# Altium PCB control128v4.PcbDoc (continued)
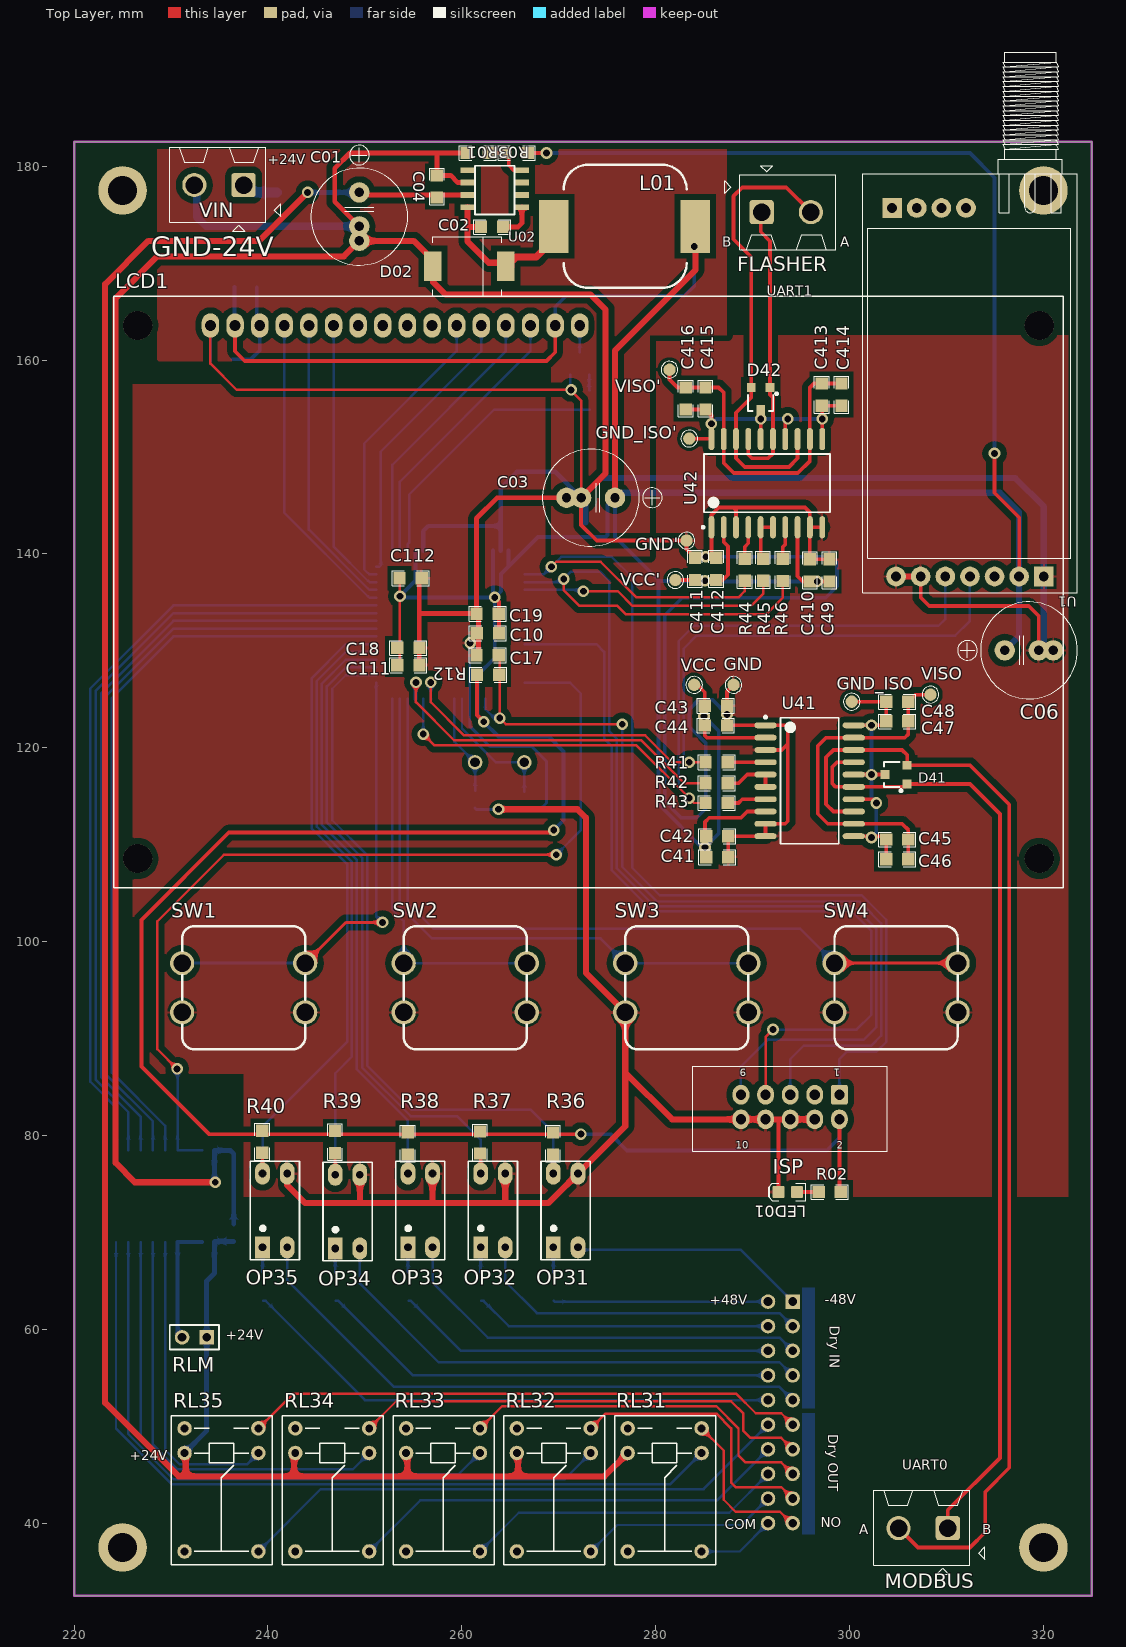
[diagram p0: Top Layer view]
## Part data
C01 C03 C06: library part Cap, cm="T? nhôm c?m"
C02 C04 C05 C10 C15 C16 C17 C18 C19 C31 C41 C42 C43 C44 C45 C46 C47 C48 C49 C111 C112 C410 C411 C412 C413 C414 C415 C416: library part "CAP NP", "Capacitor non polarized", cm1="T? di?n dán 0603", cm2="T? di?n dán 0805", cm3="T? di?n dán 1206"
D01: library part Diode, cm1="Ði ?t c?m", cm2="Ði ?t dán", vl2=FR307, vl3="TVS 1.5KE300A 19A 300V", vl4="HER508 5A 1000V", vl5="chân DO-214AB"
D02: library part "Diode Schottky"
D41 D42: "The SM712 transient voltage suppressor (TVS) diode  is designed for asymmetrical (12V to -7V) protection  in multi-point data transmission standard RS-485  applications."
DIO: "Header, 10-Pin, Dual row", LatestRevisionDate=17-Jul-2002, LatestRevisionNote="Re-released for DXP Platform.", Publisher="Altium Limited"
FLASHER MODBUS VIN: library part 2P_ScrewTerm_90S_3.81MM, "Terminal Block Screw Type THT 2-Position 3.81mm pitch", Color=Black, Manufacturer 1="Tyco Electronics", Manufacturer Part Number 1=1776113-2, Package / Case="Side Entry; 3.81mm pitch", Supplier Part Number 1=A97976-ND, Category="Connectors Interconnects", Pitch="0.150\" (3.81mm)", Positions Per Level=2, Supplier 1=Digi-Key, vl="Gi?c xanh 5.08mm"
GND GND' GND_ISO GND_ISO' VCC VCC' VISO VISO': "SMD test pin"
ISP: library part CONN_HEADER_2x5P_0.100in_Male, "Header THD 10 POS Double-row 2.54mm pitch", Manufacturer 1=3M, Manufacturer Part Number 1=D2510-6002-AR, Package / Case="Connector header; 2.54mm pitch", Supplier Part Number 1=MHC10E-ND, ComponentLink1Description=http://multimedia.3m.com/mws/mediawebserver?66666UuZjcFSLXTtm8T_oxMcEVuQEcuZgVs6EVs6E666666--, ComponentLink1URL=http://multimedia.3m.com/mws/mediawebserver?66666UuZjcFSLXTtm8T_oxMcEVuQEcuZgVs6EVs6E666666--, Connector Type="Header, Shrouded", Contact Mating Length="0.243\" (6.17mm)", Contact Type="Male Pin", Number of Positions=10, Number of Rows=2, Pitch="0.100\" (2.54mm)", QtyOverride=1, Row Spacing="0.100\" (2.54mm)", Supplier 1=Digi-Key
L01: library part Inductor, cm1="Cu?n c?m dán", cm2="Cu?n c?m c?m"
LCD1: library part "LCD 16x2", "Text LCD", cm1="Màn hình LCD text", vl1=16x2, vl2=20x4
LED01: library part LED_SMD_Blue_0805_100mcd, "LED 0805 SMD Blue 100mcd 470nm", Manufacturer 1=Ligitek, Manufacturer Part Number 1=LG-170DBKZ-CT, Package / Case=0805, Ratings="100 mcd; 470 nm", Color=Blue, Material=InGaN/GaN
OP31 OP32 OP33 OP34 OP35: "Single Opto"
Q11: library part NPN, "Transistor C828 C1815...."
R01 R02 R03 R12 R13 R14 R15 R31 R32 R33 R34 R35 R36 R37 R38 R39 R40 R41 R42 R43 R44 R45 R46: library part Res, "Resistor", cm1="Ði?n tr? dán 0603", cm2="Ði?n tr? c?m 1/4W", cm3="Ði?n tr? dán 0805", cm4="Ði?n tr? dán 1206"
RL31 RL32 RL33 RL34 RL35: library part HK4100F
RLM: "Header, 2-Pin", LatestRevisionDate=17-Jul-2002, LatestRevisionNote="Re-released for DXP Platform.", Publisher="Altium Limited"
SW1 SW2 SW3 SW4: library part SW-4P-Small, cm1="Nút b?m 4 chân c?m", vl1=12x12x17mm
U1: library part AS32-TTL-1W, "AS32-TTL-1W", Type1="Module thu phát không dây RF"
U11: library part ATmega128-16AC, "8-Bit AVR Microcontroller with 128K Bytes of In-System Programmable Flash Memory", Code_JEDEC=MS-026-AEB, ComponentLink1Description="Manufacturer Link", ComponentLink1URL=http://www.atmel.com, ComponentLink2Description=Datasheet, ComponentLink2URL=http://www.atmel.com/dyn/resources/prod_documents/doc2467.pdf, DatasheetVersion=2467G-AVR-09/02, LatestRevisionDate=13-Apr-2006, LatestRevisionNote="IPC-7351 Footprint Added.", PackageDescription="64-Pin Thin Quad Flat Pack 0.8 mm Pitch", PackageReference=64A, PackageVersion="revB, Oct-2001", Published=17-Sep-2003, Publisher="Altium Limited"
U31: "High-Voltage, High-Current Darlington Array", =TD62083AFG, LatestRevisionNote="Stylized 3D Model Added.", Publisher="Altium Limited"
XT: library part Crystal

## Free pads (board coordinates)
  round 5 hole 3: H(225,37.5) H(225,177.5) H(320,37.5) H(320,177.5)

## Via types
v1: diameter 1.2, hole 0.7, Top Layer to Bottom Layer, tented both sides, 23 vias
v2: diameter 1.2, hole 0.7, Top Layer to Bottom Layer, 18 vias

## Nets (pads, with @x,y where several pads share a name; then routed paths per layer and width w, separated by ;. In a path a pad name is that pad's centre, name@x,y a point inside that pad or via, vN(x,y) a via of type N, cw(c..) or ccw(c..) an arc to the next point about the centre after c; other vN are vias at no path point)
48V_M_1: DIO.1 OP31.2 | length 24.5
  Bottom Layer w0.254: OP31.2 272.237,68.204 288.793,68.204 DIO.1
48V_M_2: DIO.2 OP32.2 | length 35.1
  Bottom Layer w0.254: OP32.2 264.483,64.955 267.755,61.683 292.774,61.683 DIO.2
48V_M_3: DIO.3 OP33.2 | length 43.7
  Bottom Layer w0.254: OP33.2 256.983,64.835 262.675,59.143 292.774,59.143 DIO.3
48V_M_4: DIO.4 OP34.2 | length 52.2
  Bottom Layer w0.254: OP34.2 249.483,64.715 257.595,56.603 292.774,56.603 DIO.4
48V_M_5: DIO.5 OP35.2 | length 60.6
  Bottom Layer w0.254: OP35.2 241.983,65.103 253.023,54.063 292.774,54.063 DIO.5
48V_P_1: DIO.11 R31.1 | length 22.1
  Bottom Layer w0.254: R31.1 269.568,62.865 DIO.11
48V_P_2: DIO.12 R32.1 | length 30.7
  Bottom Layer w0.254: R32.1 262.251,62.939 264.865,60.325 DIO.12
48V_P_3: DIO.13 R33.1 | length 39.2
  Bottom Layer w0.254: R33.1 254.758,62.939 259.912,57.785 DIO.13
48V_P_4: DIO.14 R34.1 | length 47.8
  Bottom Layer w0.254: R34.1 247.265,62.939 254.959,55.245 DIO.14
48V_P_5: DIO.15 R35.1 | length 56.3
  Bottom Layer w0.254: R35.1 239.772,62.939 250.006,52.705 DIO.15
+5V: C03.1 C05.2 C06.1 C10.2 C18.2 C19.2 C41.2 C42.2 C43.2 C44.2 C49.2 C111.2 C112.2 C410.2 C411.2 C412.2 ISP.2 L01.2 LCD1.2 LCD1.15 R01.1@266.8,181.356 R02.2 R12.2 R15.2 R36.2 R37.2 R38.2 R39.2 R40.2 U1.2 U11.21 U11.52 U11.62 U11.64 U41.2 U41.8 U42.2 U42.8 VCC'.1 VCC.1 | length 590.7
  Top Layer w0.254: C111.2@253.608,128.524 253.608,137.262 C112.2@253.837,137.49
  Top Layer w0.381: LCD1.2 236.608,160.902 237.61,159.9 268.732,159.9 269.628,160.796 LCD1.15 ; R12.2 261.568,123.369 v2(262.255,122.682) ; v2(263.398,135.509) 263.83,135.077 C10.2 ; R01.1@266.534,181.356 266.8,181.356 v1(268.732,181.356) ; v2(269.494,111.506) 269.24,111.252 235.966,111.252 226.949,102.235 226.949,87.122 233.927,80.144 261.881,80.144 v1(272.288,80.144) ; VCC'.1 v1@285.09,137.306 ; VCC.1 284.306,126.492 285.068,125.73 C43.2 ; C44.2 285.068,121.269 285.294,121.043 U41.2 ; v1(285.09,109.728) 285.09,112.349 285.517,112.776 288.798,112.776 289.445,113.423 U41.8 ; C412.2 286.915,137.309 287.46,137.854 287.46,140.784 287.02,141.224 U42.2 ; U42.8 294.64,137.682 295.162,137.16 C410.2 v1(296.672,137.16) 297.926,137.16 C49.2 ; R02.2@298.688,74.168 298.958,74.438 ISP.2 ; v1(314.96,150.368) 314.96,146.304 317.5,143.764 U1.2
  Top Layer w0.635: C03.1 275.804,160.996 284.094,169.286 L01.2@284.094,171.704
  Bottom Layer w0.254: LCD1.2@236.608,163.576 LCD1.2@236.871,163.839
  Bottom Layer w0.381: v1(268.732,181.356) 312.42,181.356 314.96,178.816 v1(314.96,150.368) ; LCD1.15 269.628,165.488 270.764,166.624 282.956,166.624 283.972,167.64 v1(283.972,171.704) ; v1(272.288,80.144) 275.336,80.144 277.022,78.458 297.66,78.458 298.958,79.756 ISP.2 ; v1(284.988,123.241) 286.512,121.717 286.512,111.15 v1(285.09,109.728)
  Bottom Layer w0.406: R15.2 236.571,163.604 LCD1.2 ; U11.52 255.22,137.237 v2(253.619,135.636) 253.746,135.509 v2(263.398,135.509) ; U11.62 263.22,135.687 v2(263.398,135.509) ; U11.64 264.82,138.709 ; v2(269.494,111.506) 270.51,112.522 270.51,119.634 268.986,121.158 263.779,121.158 v2(262.255,122.682) 261.62,123.317 U11.21 261.62,127.485 263.398,129.263 v2(263.398,135.509) ; C03.1@276.312,146.304 C03.1 ; v1(285.09,109.728) 284.752,109.728 280.276,114.203 280.276,137.159 280.344,137.227 ; v1(296.672,137.16) 285.156,137.16 v1(285.09,137.227) 280.344,137.227 ; v2(263.398,135.509) 264.033,136.144 264.033,137.922 264.82,138.709 ; 264.82,138.709 267.843,141.732 274.844,141.732 275.048,141.936 C05.2 275.048,145.04 C03.1 ; C03.1 275.804,141.767 280.344,137.227
  Bottom Layer w0.635: C03.1@276.312,146.304 315.508,146.304 317.5,144.312 U1.2 317.5,131.532 C06.1
+24V: C01.1 C04.2 C31.2 D01.K RL31.3 RL32.3 RL33.3 RL34.3 RL35.3 RLM.1 U02.7 U31.10 | length 249.8
  Top Layer w0.508: C01.1 249.682,177.038 U02.7
  Top Layer w0.635: RL35.3 231.521,47.117 231.521,44.831 ; RL34.3 242.697,47.117 242.697,44.831 ; v2(244.094,177.292) 239.094,172.292 227.664,172.292 223.202,167.831 223.202,52.431 230.803,44.831 231.521,44.831 ; RL33.3 254.381,47.117 254.381,44.831 ; RL32.3 265.811,47.117 265.811,44.831 ; RL31.3 274.701,44.831 265.811,44.831 ; 231.521,44.831 242.697,44.831 ; 242.697,44.831 254.381,44.831 ; 254.381,44.831 265.811,44.831
  Bottom Layer w0.508: RL35.3 233.68,49.53 RLM.1 233.68,64.983 234.483,65.786 U31.10 234.483,69.018 234.541,69.077 C31.2@236.474,69.077 ; v2(244.094,177.292) D01.K C01.1
A: D41.3 MODBUS.2 U41.13 U41.18 | length 116.7
  Top Layer w0.381: U41.13 298.335,113.423 297.573,114.185 297.573,119.011 298.335,119.773 U41.18 305.423,119.773 305.943,119.253 D41.3 312.42,118.198 316.484,114.134 316.484,45.72 313.995,43.231 313.995,39.065 312.43,37.5 307.051,37.5 MODBUS.2
A': D42.3 FLASHER.2 U42.13 U42.18 | length 46.9
  Top Layer w0.381: U42.13 294.64,149.86 293.751,148.971 289.179,148.971 288.29,149.86 U42.18 288.29,154.559 289.865,156.134 D42.3 289.865,170.637 288.036,172.466 288.036,176.911 288.925,177.8 293.476,177.8 FLASHER.2
ADJ: LCD1.3 R14.2 R15.1@238.857,167.513 | length 10.2
  Bottom Layer w0.381: R14.2 238.252,160.096 239.148,160.992 LCD1.3 238.857,163.858 R15.1@238.857,167.513 ; LCD1.3@238.871,163.853 LCD1.3@239.148,163.576
Aptomat: U11.16 U31.6 U31.7 U31.8 | length 95
  Top Layer w0.254: v2(230.632,86.868) 228.6,88.9 228.6,102.108 235.458,108.966 v2(269.748,108.966)
  Bottom Layer w0.254: v2(230.632,86.868) 230.673,86.827 U31.6 U31.7 U31.8 ; U11.16 271.183,126.685 272.272,125.596 272.272,125.153 272.288,125.137 272.288,111.506 v2(269.748,108.966)
AUX: U1.3
B: D41.1 MODBUS.1 U41.15 U41.17 | length 98.9
  Top Layer w0.381: U41.17 298.704,118.503 298.208,118.007 298.208,116.32 298.565,115.963 U41.15 305.638,115.963 D41.1 312.42,116.268 315.519,113.169 315.519,46.736 310.134,41.351 MODBUS.1
B': D42.1 FLASHER.1 U42.15 U42.17 | length 30
  Top Layer w0.381: U42.17 289.56,150.229 289.929,149.86 291.592,149.86 292.1,150.368 U42.15 292.1,156.141 291.795,156.446 D42.1 291.795,172.263 290.83,173.228 290.83,175.154 FLASHER.1
BOOT: C02.1@264.262,173.736 U02.1@266.192,175.768 | length 4
  Top Layer w0.508: C02.1@264.044,173.736 265.811,173.736 266.192,174.117 U02.1@266.192,175.768
COM1: DIO.20 RL31.2 | length 8.1
  Bottom Layer w0.254: RL31.2 288.671,37.084 DIO.20
COM2: DIO.19 RL32.2 | length 20.6
  Bottom Layer w0.254: RL32.2 276.035,39.815 288.862,39.815 DIO.19
COM3: DIO.18 RL33.2 | length 33
  Bottom Layer w0.254: RL33.2 265.875,41.085 287.592,41.085 DIO.18
COM4: DIO.17 RL34.2 | length 45.5
  Bottom Layer w0.254: RL34.2 255.715,42.355 286.322,42.355 DIO.17
COM5: DIO.16 RL35.2 | length 58
  Bottom Layer w0.254: RL35.2 245.452,43.522 284.949,43.522 DIO.16
CRL1: U11.43 U31.1 | length 81.8
  Bottom Layer w0.254: U31.1 224.323,82.904 221.666,85.561 221.666,126.1 230.251,134.685 U11.43
CRL2: U11.42 U31.2 | length 81.1
  Bottom Layer w0.254: U31.2 225.593,82.425 222.225,85.793 222.225,125.859 230.251,133.885 U11.42
CRL3: U11.41 U31.3 | length 80.3
  Bottom Layer w0.254: U31.3 226.863,80.84 226.867,80.844 226.867,81.94 222.783,86.024 222.783,125.617 230.251,133.085 U11.41
CRL4: U11.40 U31.4 | length 79.6
  Bottom Layer w0.254: U31.4 228.133,81.465 223.342,86.256 223.342,125.376 230.251,132.285 U11.40
CRL5: U11.39 U31.5 | length 78.9
  Bottom Layer w0.254: U31.5 229.403,80.985 223.901,86.487 223.901,125.135 230.251,131.485 U11.39
D4: LCD1.11 U11.47 | length 30.6
  Bottom Layer w0.254: U11.47 250.49,137.885 250.346,138.029 250.298,138.029 249.914,138.413 249.914,151.362 259.468,160.916 LCD1.11@259.468,163.576
D5: LCD1.12 U11.48 | length 29.6
  Bottom Layer w0.254: U11.48 251.506,138.685 251.643,138.822 251.643,150.551 262.008,160.916 LCD1.12@262.008,163.576
D6: LCD1.13 U11.49 | length 28.1
  Bottom Layer w0.254: U11.49 252.82,149.188 264.548,160.916 LCD1.13@264.548,163.576
D7: LCD1.14 U11.50 | length 28.8
  Bottom Layer w0.254: U11.50 253.62,147.448 267.088,160.916 LCD1.14@267.088,163.576
DIO2: U11.6
DRYIN1: OP31.4 R36.1@269.405,78.028 U11.34 | length 74
  Top Layer w0.305: R36.1@269.405,78.294 269.443,78.256 OP31.4
  Bottom Layer w0.254: U11.34 248.031,127.485 246.634,126.088 246.634,112.522 250.266,108.89 250.266,87.171 254.76,82.677 267.081,82.677 269.443,80.315 OP31.4
DRYIN2: OP32.4 R37.1@261.881,78.135 U11.35 | length 67.8
  Top Layer w0.305: R37.1@261.912,78.294 261.943,78.263 OP32.4
  Bottom Layer w0.254: U11.35 248.031,128.285 246.075,126.329 246.075,112.291 249.707,108.658 249.707,87.011 254.727,81.991 259.512,81.991 261.943,79.56 OP32.4
DRYIN3: OP33.4 R38.1@254.419,78.034 U11.36 | length 63.1
  Top Layer w0.254: R38.1@254.419,78.294 254.443,78.27 OP33.4
  Bottom Layer w0.254: U11.36 248.031,129.085 245.542,126.596 245.542,112.07 249.174,108.437 249.174,86.826 254.443,81.557 OP33.4
DRYIN4: OP34.4 R39.1@246.913,78.183 U11.37 | length 62.9
  Top Layer w0.254: R39.1@246.926,78.294 246.943,78.277 OP34.4
  Bottom Layer w0.254: OP34.4 246.943,86.415 248.666,88.138 248.666,108.227 245.034,111.859 245.034,126.888 248.031,129.885 U11.37
DRYIN5: OP35.4 R40.1@239.42,78.211 U11.38 | length 66.5
  Top Layer w0.254: R40.1@239.433,78.294 239.443,78.284 OP35.4
  Bottom Layer w0.254: OP35.4 239.443,80.947 248.158,89.662 248.158,108.017 244.526,111.649 244.526,127.18 248.031,130.685 U11.38
EN: LCD1.6 U11.46 | length 28.7
  Bottom Layer w0.254: LCD1.6@246.768,163.576 246.768,140.759 250.298,137.229 250.346,137.229 250.49,137.085 U11.46
GND: C01.2 C03.2 C04.1@257.429,179.045 C05.1@272.762,143.256 C06.2 C10.1@261.544,131.826 C15.2 C16.2 C17.1@261.518,129.54 C18.1@255.626,130.302 C19.1@261.518,133.833 C31.1@236.474,71.095 C41.1@287.503,108.712 C42.1@287.503,110.883 C43.1@287.354,124.333 C44.1@287.354,122.301 C49.1@297.929,139.443 C111.1@255.626,128.524 C112.1@255.854,137.49 C410.1@295.91,139.446 C411.1@284.064,139.595 C412.1@286.236,139.595 D02.A GND'.1 GND.1 ISP.4 ISP.6 ISP.8 ISP.10 LCD1.1 LED01.K OP31.3 OP32.3 OP33.3 OP34.3 OP35.3 Q11.3 R03.1@260.504,181.356 R14.1@234.04,160.096 SW1.2 SW2.2 SW3.2 SW4.2 U1.1 U1.6 U1.7 U02.6 U11.22 U11.53 U11.63 U31.9 U41.1 U41.3 U41.9 U41.10 U42.1 U42.3 U42.9 U42.10 VIN.2 | length 757.9
  Top Layer w0.254: LCD1.1 234.068,159.632 236.781,156.919 271.198,156.919 272.304,155.812 C03.2@272.304,145.796 ; v2(260.858,130.81) 261.736,130.81
  Top Layer w0.381: C03.2@272.304,145.796 272.304,142.986 273.917,141.373 GND'.1 283.188,140.472 284.064,139.595 286.236,139.595 285.75,140.081 U42.1 285.75,144.018 286.512,144.78 288.036,144.78 ; C41.1@287.503,108.712 287.503,110.883 U41.10 U41.9 293.358,112.153 293.624,112.419 293.624,120.396 ; GND.1 287.354,125.81 287.354,124.333 v1(287.354,123.444) 287.354,122.301 287.366,122.313 U41.1 293.358,122.313 293.624,122.047 293.624,120.396 ; U42.3 288.29,144.526 288.036,144.78 ; U41.3 293.001,119.773 293.624,120.396 ; 292.608,81.661 292.671,81.597 LED01.K ; U42.10 U42.9 ; C49.1@297.929,139.443 295.913,139.443 295.91,139.446 U42.9 ; U1.6 307.34,135.509 308.216,134.633 318.487,134.633 319.516,133.604 C06.2@319.516,130.048 ; 288.036,144.78 295.402,144.78 295.91,144.272 U42.9
  Top Layer w0.457: C111.1@255.626,128.524 255.626,130.302 255.626,133.782 255.626,137.262 C112.1@255.854,137.49
  Top Layer w0.508: C01.2@249.428,173.792 246.888,176.332 246.888,179.777 248.467,181.356 257.429,181.356 ; 255.626,133.782 255.676,133.833 C19.1@261.518,133.833 ; U02.6 259.588,178.308 258.851,179.045 257.429,179.045 257.429,181.356 ; R03.1@260.77,181.356 257.429,181.356 ; C17.1@261.736,129.54 261.736,130.81 261.736,133.833 C19.1@261.518,133.833 ; C03.2@270.804,145.796 263.652,145.796 261.518,143.662 C19.1@261.518,133.833
  Top Layer w0.635: v2@234.442,75.311 v2@234.569,75.311 ; v2(234.569,75.184) 226.266,75.184 224.282,77.168 224.282,166.37 228.6,170.688 247.824,170.688 249.428,172.292 255.025,172.292 257.048,170.269 D02.A@257.048,169.645 ; OP35.3 241.983,74.882 243.84,73.025 249.555,73.025 ; OP34.3 249.483,73.097 249.555,73.025 ; OP33.3 256.983,73.087 256.921,73.025 ; D02.A D02.A@257.048,169.645 ; v2(263.779,113.654) 271.918,113.654 272.796,112.776 272.796,96.774 276.86,92.71 276.86,86.487 ; OP32.3 264.483,73.083 264.541,73.025 ; C03.2@272.304,145.796 274.828,148.32 274.828,165.205 273.282,166.751 258.318,166.751 257.048,168.021 D02.A@257.048,169.645 ; ISP.4 ISP.6 292.608,81.661 ISP.8 ISP.10 281.686,81.661 276.86,86.487 ; U1.7 U1.6 ; 249.555,73.025 256.921,73.025 ; 256.921,73.025 264.541,73.025 ; 264.541,73.025 268.93,73.025 OP31.3 276.86,80.955 276.86,86.487
  Bottom Layer w0.254: LCD1.1@234.068,163.576 234.077,163.567 R14.1@234.077,159.893 ; Q11.3 271.196,156.995 v1(271.272,156.919)
  Bottom Layer w0.305: v2(260.858,130.81) 260.82,130.772 U11.22 260.82,122.212 262.89,120.142 267.208,120.142 268.732,118.618 268.732,114.3 268.086,113.654 v2(263.779,113.654) 261.493,113.654 C16.2@261.366,113.781
  Bottom Layer w0.381: v1@285.09,139.7 v1(285.156,139.7) 298.196,139.7 298.704,139.192 298.704,136.652 297.537,135.485 282.74,135.485 280.924,133.669 280.924,114.472 282.62,112.776 284.226,112.776 285.156,113.706 285.156,120.482 283.464,122.174 283.464,123.952 284.48,124.968 285.83,124.968 v1(287.354,123.444)
  Bottom Layer w0.457: U11.53 256.003,140.352 256.003,142.338 256.54,142.875 264.02,142.875 ; U11.63 264.02,142.875 ; C03.2@272.304,145.796 269.637,148.463 265.684,148.463 264.02,146.799 264.02,142.875
  Bottom Layer w0.508: v2(234.569,75.184) 234.483,75.27 U31.9 236.121,78.458 236.474,78.105 236.474,71.095 C31.1@236.474,70.877
  Bottom Layer w0.635: C05.1@272.762,143.256 272.762,145.338 272.304,145.796 274.336,147.828 317.119,147.828 320.04,144.907 U1.1 320.04,130.572 C06.2@319.516,130.048
  Bottom Layer w0.8: VIN.2@232.664,178.308 232.664,174.752 233.624,173.792 C01.2@249.428,173.792
GND_ISO: C45.1@303.784,110.528 C46.1@303.784,108.496 C47.1@303.784,122.72 C48.1@303.784,124.752 D41.2 GND_ISO.1 U41.11 U41.14 U41.16 U41.20 | length 32.3
  Top Layer w0.381: GND_ISO.1 303.784,124.752 303.784,122.72 303.377,122.313 v1(302.26,122.313) U41.20 ; U41.11 303.429,110.883 303.784,110.528 C46.1@303.784,108.496 ; U41.14 302.375,114.693 v1(302.768,114.3) ; U41.16 v1(302.26,117.233) D41.2
  Bottom Layer w0.381: v1(302.26,110.744) 302.768,111.252 v1(302.768,114.3) 302.26,114.808 v1(302.26,117.233) v1(302.26,122.313)
GND_ISO': C413.1@297.129,155.296 C414.1@299.161,155.296 C415.1@285.14,154.889 C416.1@283.108,154.889 D42.2 GND_ISO'.1 U42.11 U42.14 U42.16 U42.20 | length 27.5
  Top Layer w0.381: C416.1@283.108,154.889 285.14,154.889 285.75,154.28 v1(285.75,153.416) ; GND_ISO'.1 285.706,151.892 U42.20 ; U42.16 v1(290.83,153.924) ; U42.14 293.37,153.67 v1(293.624,153.924) ; U42.11 v1(297.18,153.924) 297.18,155.245 297.129,155.296 C414.1@299.161,155.296
  Bottom Layer w0.381: v1(285.75,153.416) 286.258,153.924 v1(290.83,153.924) v1(293.624,153.924) v1(297.18,153.924)
LCD_BL: R13.2 U11.51 | length 28.1
  Bottom Layer w0.254: U11.51 254.42,141.015 254.564,141.159 254.564,146.106 263.326,154.868 R13.2@273.177,154.868
NetLCD1_16: LCD1.16 Q11.2 | length 2.8
  Bottom Layer w0.254: Q11.2 272.168,160.789 LCD1.16@272.168,163.576
NetLED01_A: LED01.A R02.1@296.813,74.168 | length 2.1
  Top Layer w0.381: LED01.A R02.1@296.688,74.168
NetOP31_1: OP31.1 R31.2 | length 2.6
  Bottom Layer w0.305: OP31.1 269.443,65.89 R31.2
NetOP32_1: OP32.1 R32.2 | length 2.6
  Bottom Layer w0.305: OP32.1 261.943,65.897 R32.2
NetOP33_1: OP33.1 R33.2 | length 2.6
  Bottom Layer w0.305: OP33.1 254.443,65.904 R33.2
NetOP34_1: OP34.1 R34.2 | length 2.5
  Bottom Layer w0.305: OP34.1 246.943,65.911 R34.2
NetOP35_1: OP35.1 R35.2 | length 2.7
  Bottom Layer w0.305: OP35.1 239.443,65.918 R35.2
NetQ11_1: Q11.1 R13.1@273.177,156.718 | length 1.6
  Bottom Layer w0.254: Q11.1 273.126,156.919 R13.1@273.177,156.868
NO1: DIO.10 RL31.6 | length 16.4
  Top Layer w0.254: RL31.6 287.02,47.498 287.02,42.418 288.251,41.187 292.823,41.187 294.005,40.005 DIO.10
NO2: DIO.9 RL32.6 | length 28.4
  Top Layer w0.254: RL32.6 274.828,51.308 286.258,51.308 287.782,49.784 287.782,44.196 288.251,43.727 292.95,43.727 DIO.9
NO3: DIO.8 RL33.6 | length 37.7
  Top Layer w0.254: RL33.6 264.16,52.07 286.258,52.07 288.544,49.784 288.544,46.99 289.267,46.267 292.95,46.267 DIO.8
NO4: DIO.7 RL34.6 | length 47.9
  Top Layer w0.254: RL34.6 253.238,52.578 287.782,52.578 289.052,51.308 289.052,49.53 289.775,48.807 292.95,48.807 DIO.7
NO5: DIO.6 RL35.6 | length 57.9
  Top Layer w0.254: RL35.6 242.57,53.34 288.329,53.34 290.322,51.347 292.95,51.347 DIO.6
ORL1: RL31.4 U31.18 | length 83.4
  Bottom Layer w0.254: U31.18 224.323,49.77 230.063,44.03 281.52,44.03 RL31.4
ORL2: RL32.4 U31.17 | length 70.6
  Bottom Layer w0.254: U31.17 225.593,49.219 230.273,44.538 270.598,44.538 RL32.4
ORL3: RL33.4 U31.16 | length 57.8
  Bottom Layer w0.254: U31.16 226.863,48.667 230.484,45.046 259.676,45.046 RL33.4
ORL4: RL34.4 U31.15 | length 45
  Bottom Layer w0.254: U31.15 228.133,48.116 230.694,45.554 248.754,45.554 RL34.4
ORL5: RL35.4 U31.14 | length 32.2
  Bottom Layer w0.254: U31.14 229.403,47.564 230.904,46.062 237.832,46.062 RL35.4
PDI: ISP.1 R44.1@289.179,137.215 U11.2 | length 116
  Top Layer w0.254: v2(269.24,138.684) 269.748,139.192 274.32,139.192 278.003,135.509 288.544,135.509 289.179,136.144 R44.1@289.179,137.215
  Bottom Layer w0.254: U11.2 268.441,137.885 v2(269.24,138.684) 270.256,139.7 275.474,139.7 277.588,137.586 277.588,107.603 280.416,104.775 301.271,104.775 301.457,104.589 301.643,104.403 301.829,104.217 303.784,102.262 303.784,89.662 302.768,88.646 299.72,88.646 298.958,87.884 ISP.1
PDO: ISP.9 R46.1@293.116,137.212 U11.3 | length 124.9
  Top Layer w0.254: v2(270.51,137.414) 270.51,136.271 272.148,134.633 276.06,134.633 276.936,133.756 291.363,133.756 293.116,135.509 R46.1@293.116,137.212
  Bottom Layer w0.254: U11.3 270.181,137.085 v2(270.51,137.414) 271.272,138.176 274.238,138.176 275.187,137.227 275.187,121.71 275.993,120.904 275.993,107.547 279.908,103.632 300.438,103.632 302.768,101.302 302.768,91.186 301.482,89.9 291.673,89.9 291.657,89.916 291.592,89.916 288.798,87.122 ISP.9
PH: C02.2 D02.K L01.1 U02.8 | length 17.8
  Top Layer w0.635: U02.8 260.604,173.736 ; C02.2 260.604,173.736 ; D02.K 264.541,170.04 262.776,170.04 260.604,172.212 260.604,173.736
  Top Layer w0.762: D02.K 265.06,169.672 265.06,170.067 265.618,170.624 267.69,170.624 269.494,172.428 L01.1
RD485: R42.1@285.142,116.332 U11.29 | length 37.1
  Top Layer w0.254: v2(255.27,126.746) 255.27,124.714 259.223,120.761 278.527,120.761 282.956,116.332 R42.1@285.142,116.332
  Bottom Layer w0.381: U11.29 255.22,126.696 v2(255.27,126.746)
RDE: R42.2 U41.5 U41.6 | length 5.5
  Top Layer w0.381: R42.2 288.544,116.332 289.445,117.233 U41.5 U41.6
RDE': R45.2 U42.5 U42.6 | length 4.6
  Top Layer w0.381: R45.2 290.83,139.755 U42.5 U42.6
Relay_med: RLM.2 U31.11 U31.12 U31.13 | length 12.6
  Bottom Layer w0.381: RLM.2 230.673,59.649 U31.13 U31.12 U31.11
RF_MISO: U11.13
RF_MOSI: U11.12
RF_NSS: U11.10
RF_RESET: U11.9
RS: LCD1.4 U11.44 | length 32.4
  Bottom Layer w0.254: LCD1.4@241.688,163.576 241.688,144.239 250.298,135.629 250.346,135.629 250.49,135.485 U11.44
RS485D: R45.1@291.084,137.215 U11.4 | length 27.2
  Top Layer w0.254: v2(272.542,136.144) 276.111,136.144 277.622,134.633 289.839,134.633 291.084,135.878 R45.1@291.084,137.215
  Bottom Layer w0.254: U11.4 272.401,136.285 v2(272.542,136.144)
RST: C17.2 ISP.5 R12.1@263.854,127.533 U11.20 | length 92.5
  Top Layer w0.254: C17.2@263.536,129.54 263.906,129.17 v2(263.906,123.063) 264.541,122.428 v1(276.556,122.428)
  Bottom Layer w0.254: U11.20 262.42,123.99 263.347,123.063 v2(263.906,123.063) v2@264.287,122.682 ; v1(276.556,122.428) 276.556,107.702 280.118,104.14 301.008,104.14 301.194,103.954 301.38,103.768 303.276,101.872 303.276,90.297 302.26,89.281 295.275,89.281 293.878,87.884 ISP.5
RW: LCD1.5 U11.45 | length 30.6
  Bottom Layer w0.254: LCD1.5@244.228,163.576 244.228,142.499 250.298,136.429 250.346,136.429 250.49,136.285 U11.45
RxD: R41.2 U41.4 | length 3.9
  Top Layer w0.381: R41.2 U41.4
RxD': R44.2 U42.4 | length 3.4
  Top Layer w0.381: R44.2 289.179,140.716 289.56,141.097 U42.4
SCK: ISP.7 U11.11 | length 87.3
  Top Layer w0.254: ISP.7 291.338,90.17 v1(292.1,90.932)
  Bottom Layer w0.254: U11.11 273.879,130.685 274.679,129.885 274.679,120.948 275.485,120.142 275.485,107.337 279.698,103.124 300.228,103.124 302.26,101.092 302.26,92.456 300.736,90.932 v1(292.1,90.932)
SCL: U11.25
SDA: U11.26
SW1: SW1.1 U11.33 | length 47.4
  Top Layer w0.305: SW1.1@243.84,97.79 248.031,101.981 v2(251.817,101.981)
  Bottom Layer w0.254: U11.33 251.17,102.628 v2(251.817,101.981)
  Bottom Layer w0.305: SW1.1@231.14,97.79 SW1.1@243.84,97.79
SW2: SW2.1 U11.32 | length 40.4
  Bottom Layer w0.254: U11.32 252.82,103.311 254,102.131 254,97.79 SW2.1@266.7,97.79
SW3: SW3.1 U11.31 | length 59.8
  Bottom Layer w0.254: U11.31 253.62,103.643 256.933,100.33 274.32,100.33 276.86,97.79 SW3.1@289.56,97.79
SW4: SW4.1 U11.30 | length 80.4
  Top Layer w0.305: SW4.1@298.45,97.79 SW4.1@311.15,97.79
  Bottom Layer w0.254: U11.30 254.42,103.974 257.048,101.346 294.894,101.346 SW4.1@298.45,97.79
TxD: R43.2 U41.7 | length 4.1
  Top Layer w0.381: R43.2 288.544,114.3 288.937,114.693 U41.7
TxD': R46.2 U42.7 | length 3.4
  Top Layer w0.381: R46.2 293.116,140.716 293.37,140.97 U42.7
USART2_RX: R41.1@285.142,118.503 U1.4 U11.27 | length 81.9
  Top Layer w0.254: v2(256.794,126.746) 256.794,124.714 260.239,121.269 278.92,121.269 281.686,118.503 v1(283.464,118.503) R41.1@285.142,118.503
  Bottom Layer w0.254: v1(283.464,118.503) 282.892,119.074 282.892,130.238 284.226,131.572 310.907,131.572 312.42,133.085 U1.4
  Bottom Layer w0.305: v2(256.794,126.746) 256.794,125.061 U11.27
USART2_TX: R43.1@285.142,114.3 U1.5 U11.28 | length 85.1
  Top Layer w0.254: v2(256.032,121.412) 257.191,120.253 278.019,120.253 v1(283.464,114.808) 283.972,114.3 R43.1@285.142,114.3
  Bottom Layer w0.254: v1(283.464,114.808) 282.385,115.887 282.385,131 283.972,132.588 309.167,132.588 309.88,133.301 U1.5
  Bottom Layer w0.305: U11.28 256.02,122.186 256.032,122.174 v2(256.032,121.412)
VCC: 
VIN+: D01.A VIN.1 | length 3.6
  Bottom Layer w1.016: VIN.1@237.744,178.308 238.76,177.292 D01.A
VISO: C45.2 C46.2 C47.2 C48.2 U41.12 U41.19 VISO.1 | length 35.9
  Top Layer w0.381: C46.2 C45.2 306.07,111.506 305.423,112.153 U41.12 297.752,112.153 296.71,113.195 296.71,120.18 297.573,121.043 U41.19 305.701,121.043 306.07,121.412 C47.2 C48.2 306.794,125.476 VISO.1
VISO': C413.2 C414.2 C415.2 C416.2 U42.12 U42.19 VISO'.1 | length 35.3
  Top Layer w0.381: VISO'.1 281.432,157.988 282.245,157.175 C416.2 C415.2 286.493,157.175 287.02,156.648 U42.19 287.02,149.368 288.052,148.336 294.654,148.336 295.91,149.592 U42.12 295.91,157.162 296.329,157.582 C413.2 C414.2
VSENSE: R01.2 R03.2 U02.4 | length 5.2
  Top Layer w0.381: R03.2@262.47,181.356 264.834,181.356 264.834,180.086 265.342,179.578 U02.4
XTAL1: C16.1@261.366,115.799 U11.24 XT.1 | length 10.3
  Bottom Layer w0.254: U11.24 259.22,120.637 XT.1 C16.1@261.366,115.581
XTAL2: C15.1@266.446,115.672 U11.23 XT.2 | length 14
  Bottom Layer w0.254: U11.23 260.02,121.996 263.525,118.491 XT.2 266.446,115.672 C15.1@266.446,115.454
pads on no net: C01.0 C02.0 C02.1@262.244,173.736 C02.1@264.044,173.736 C03.0 C04.0 C04.1@257.429,177.027 C04.1@257.429,178.827 C05.0 C05.1@272.979,143.256 C05.1@274.779,143.256 C06.0 C10.0 C10.1@261.761,131.826 C10.1@263.561,131.826 C15.0 C15.1@266.446,113.654 C15.1@266.446,115.454 C16.0 C16.1@261.366,113.781 C16.1@261.366,115.581 C17.0 C17.1@261.736,129.54 C17.1@263.536,129.54 C18.0 C18.1@253.608,130.302 C18.1@255.408,130.302 C19.0 C19.1@261.736,133.833 C19.1@263.536,133.833 C31.0 C31.1@236.474,69.077 C31.1@236.474,70.877 C41.0 C41.1@285.485,108.712 C41.1@287.285,108.712 C42.0 C42.1@285.485,110.883 C42.1@287.285,110.883 C43.0 C43.1@285.336,124.333 C43.1@287.136,124.333 C44.0 C44.1@285.336,122.301 C44.1@287.136,122.301 C45.0 C45.1@304.002,110.528 C45.1@305.802,110.528 C46.0 C46.1@304.002,108.496 C46.1@305.802,108.496 C47.0 C47.1@304.002,122.72 C47.1@305.802,122.72 C48.0 C48.1@304.002,124.752 C48.1@305.802,124.752 C49.0 C49.1@297.929,137.425 C49.1@297.929,139.225 C111.0 C111.1@253.608,128.524 C111.1@255.408,128.524 C112.0 C112.1@253.837,137.49 C112.1@255.637,137.49 C410.0 C410.1@295.91,137.428 C410.1@295.91,139.228 C411.0 C411.1@284.064,137.578 C411.1@284.064,139.378 C411.1@284.065,137.578 C411.1@284.065,139.378 C412.0 C412.1@286.236,137.578 C412.1@286.236,139.378 C413.0 C413.1@297.129,155.513 C413.1@297.129,157.313 C414.0 C414.1@299.161,155.513 C414.1@299.161,157.313 C415.0 C415.1@285.14,155.107 C415.1@285.14,156.907 C416.0 C416.1@283.108,155.107 C416.1@283.108,156.907 D01.0 ISP.0 ISP.3 LCD1.7 LCD1.8 LCD1.9 LCD1.10 LCD1.H LED01.0 R01.0 R01.1@264.687,181.356 R01.1@266.687,181.356 R02.0 R02.1@296.926,74.168 R02.1@298.926,74.168 R03.0 R03.1@260.617,181.356 R03.1@262.617,181.356 R12.0 R12.1@261.741,127.533 R12.1@261.741,127.534 R12.1@263.741,127.533 R12.1@263.741,127.534 R13.0 R13.1@273.177,155.018 R13.1@273.177,156.718 R14.0 R14.1@234.153,160.096 R14.1@236.153,160.096 R15.0 R15.1@236.744,167.513 R15.1@238.744,167.513 R31.0 R32.0 R33.0 R34.0 R35.0 R36.0 R36.1@269.405,78.141 R36.1@269.405,80.141 R37.0 R37.1@261.881,78.248 R37.1@261.881,80.248 R38.0 R38.1@254.419,78.147 R38.1@254.419,80.147 R39.0 R39.1@246.913,78.296 R39.1@246.913,80.296 R39.1@246.914,78.296 R39.1@246.914,80.296 R40.0 R40.1@239.42,78.324 R40.1@239.42,80.324 R40.1@239.421,78.324 R40.1@239.421,80.324 R41.0 R41.1@285.255,118.503 R41.1@287.255,118.503 R42.0 R42.1@285.255,116.332 R42.1@287.255,116.332 R43.0 R43.1@285.255,114.3 R43.1@287.255,114.3 R44.0 R44.1@289.179,137.328 R44.1@289.179,139.328 R45.0 R45.1@291.084,137.328 R45.1@291.084,139.328 R46.0 R46.1@293.116,137.325 R46.1@293.116,139.325 RL31.1 RL31.5 RL32.1 RL32.5 RL33.1 RL33.5 RL34.1 RL34.5 RL35.1 RL35.5 U1.0 U02.1@266.192,174.498 U02.2 U02.3 U02.5 U11.1 U11.5 U11.7 U11.8 U11.14 U11.15 U11.17 U11.18 U11.19 U11.54 U11.55 U11.56 U11.57 U11.58 U11.59 U11.60 U11.61

## Polygon pours and split planes (outlines as drawn)
GND on Bottom Layer "GND_L02_P005" (solid, pour order 5): 225.593,157.48 269.149,157.48 269.24,157.571 269.331,157.48 325,157.48 325.12,157.36 325.12,73.66 226.06,73.66
no net on Bottom Layer "NONET_L02_P000" (solid, pour order 0): 228.6,182.5 228.98,182.88 287.354,182.88 287.354,162.56 279.4,162.56 279.4,139.7 269.24,139.7 269.24,160.02 228.6,160.02
GND on Top Layer "GND_L01_P003" (solid, pour order 3): 226.06,157.48 269.24,157.48 269.24,139.7 279.4,139.7 279.4,162.56 322.58,162.56 322.58,73.66 237.49,73.66 237.49,86.36 226.06,86.36
no net on Top Layer "NONET_L01_P002" (solid, pour order 2): 228.6,182.5 287.354,182.5 287.354,162.56 279.4,162.56 279.4,139.755 269.24,139.755 269.24,159.9 228.72,159.9 228.6,160.02

## Keep-outs
Keep-Out Layer:
  the board outline again, w0.254

## Other copper
Bottom Layer:
  rectangle: 295.12,51.816 296.443,64.313
  rectangle: 295.12,38.862 296.443,51.359

## Silkscreen, mask and mechanical layers (free items; w line width, h text height)
Top Overlay:
  text "+24V" at 240.005,180.188 h1
  text "B" at 286.872,171.704 h1
  text "A" at 299.064,171.704 h1
  text "GND-24V" at 227.965,170.688 h2
  text "UART1" at 291.444,166.624 h1
  text "-48V" at 297.459,62.611 h1
  text "+48V" at 285.598,62.56 h1
  text "Dry IN" at 297.967,60.35 h1 r270
  text "+24V" at 235.636,58.928 h1
  text "Dry OUT" at 297.815,49.174 h1 r270
  text "+24V" at 225.755,46.482 h1
  text "UART0" at 305.46,45.491 h1
  text "NO" at 297.028,39.599 h1
  text "COM" at 287.122,39.395 h1
  text "A" at 300.99,38.862 h1
  text "B" at 313.69,38.862 h1
Bottom Solder:
  rectangle: 294.03,38.684 296.647,64.11

## Text inside footprints (layer, text, board x,y; h text height)
DIO: Bottom Overlay "20" at 292.1,38.481 h1.27 r90; Bottom Overlay "10" at 294.64,38.481 h1.27 r90; Bottom Overlay "1" at 292.1,64.897 h1.27 r90; Bottom Overlay "1" at 292.1,65.913 h1.27 r90; Bottom Overlay "1" at 295.148,64.897 h1.27 r90
ISP: Top Overlay "9" at 289.331,86.868 h0.76 r180; Top Overlay "10" at 288.283,78.613 h0.76; Top Overlay "1" at 299.049,86.868 h0.76 r180; Top Overlay "2" at 298.704,78.613 h0.76